# KiCad board .C68.kicad_pcb (continued)
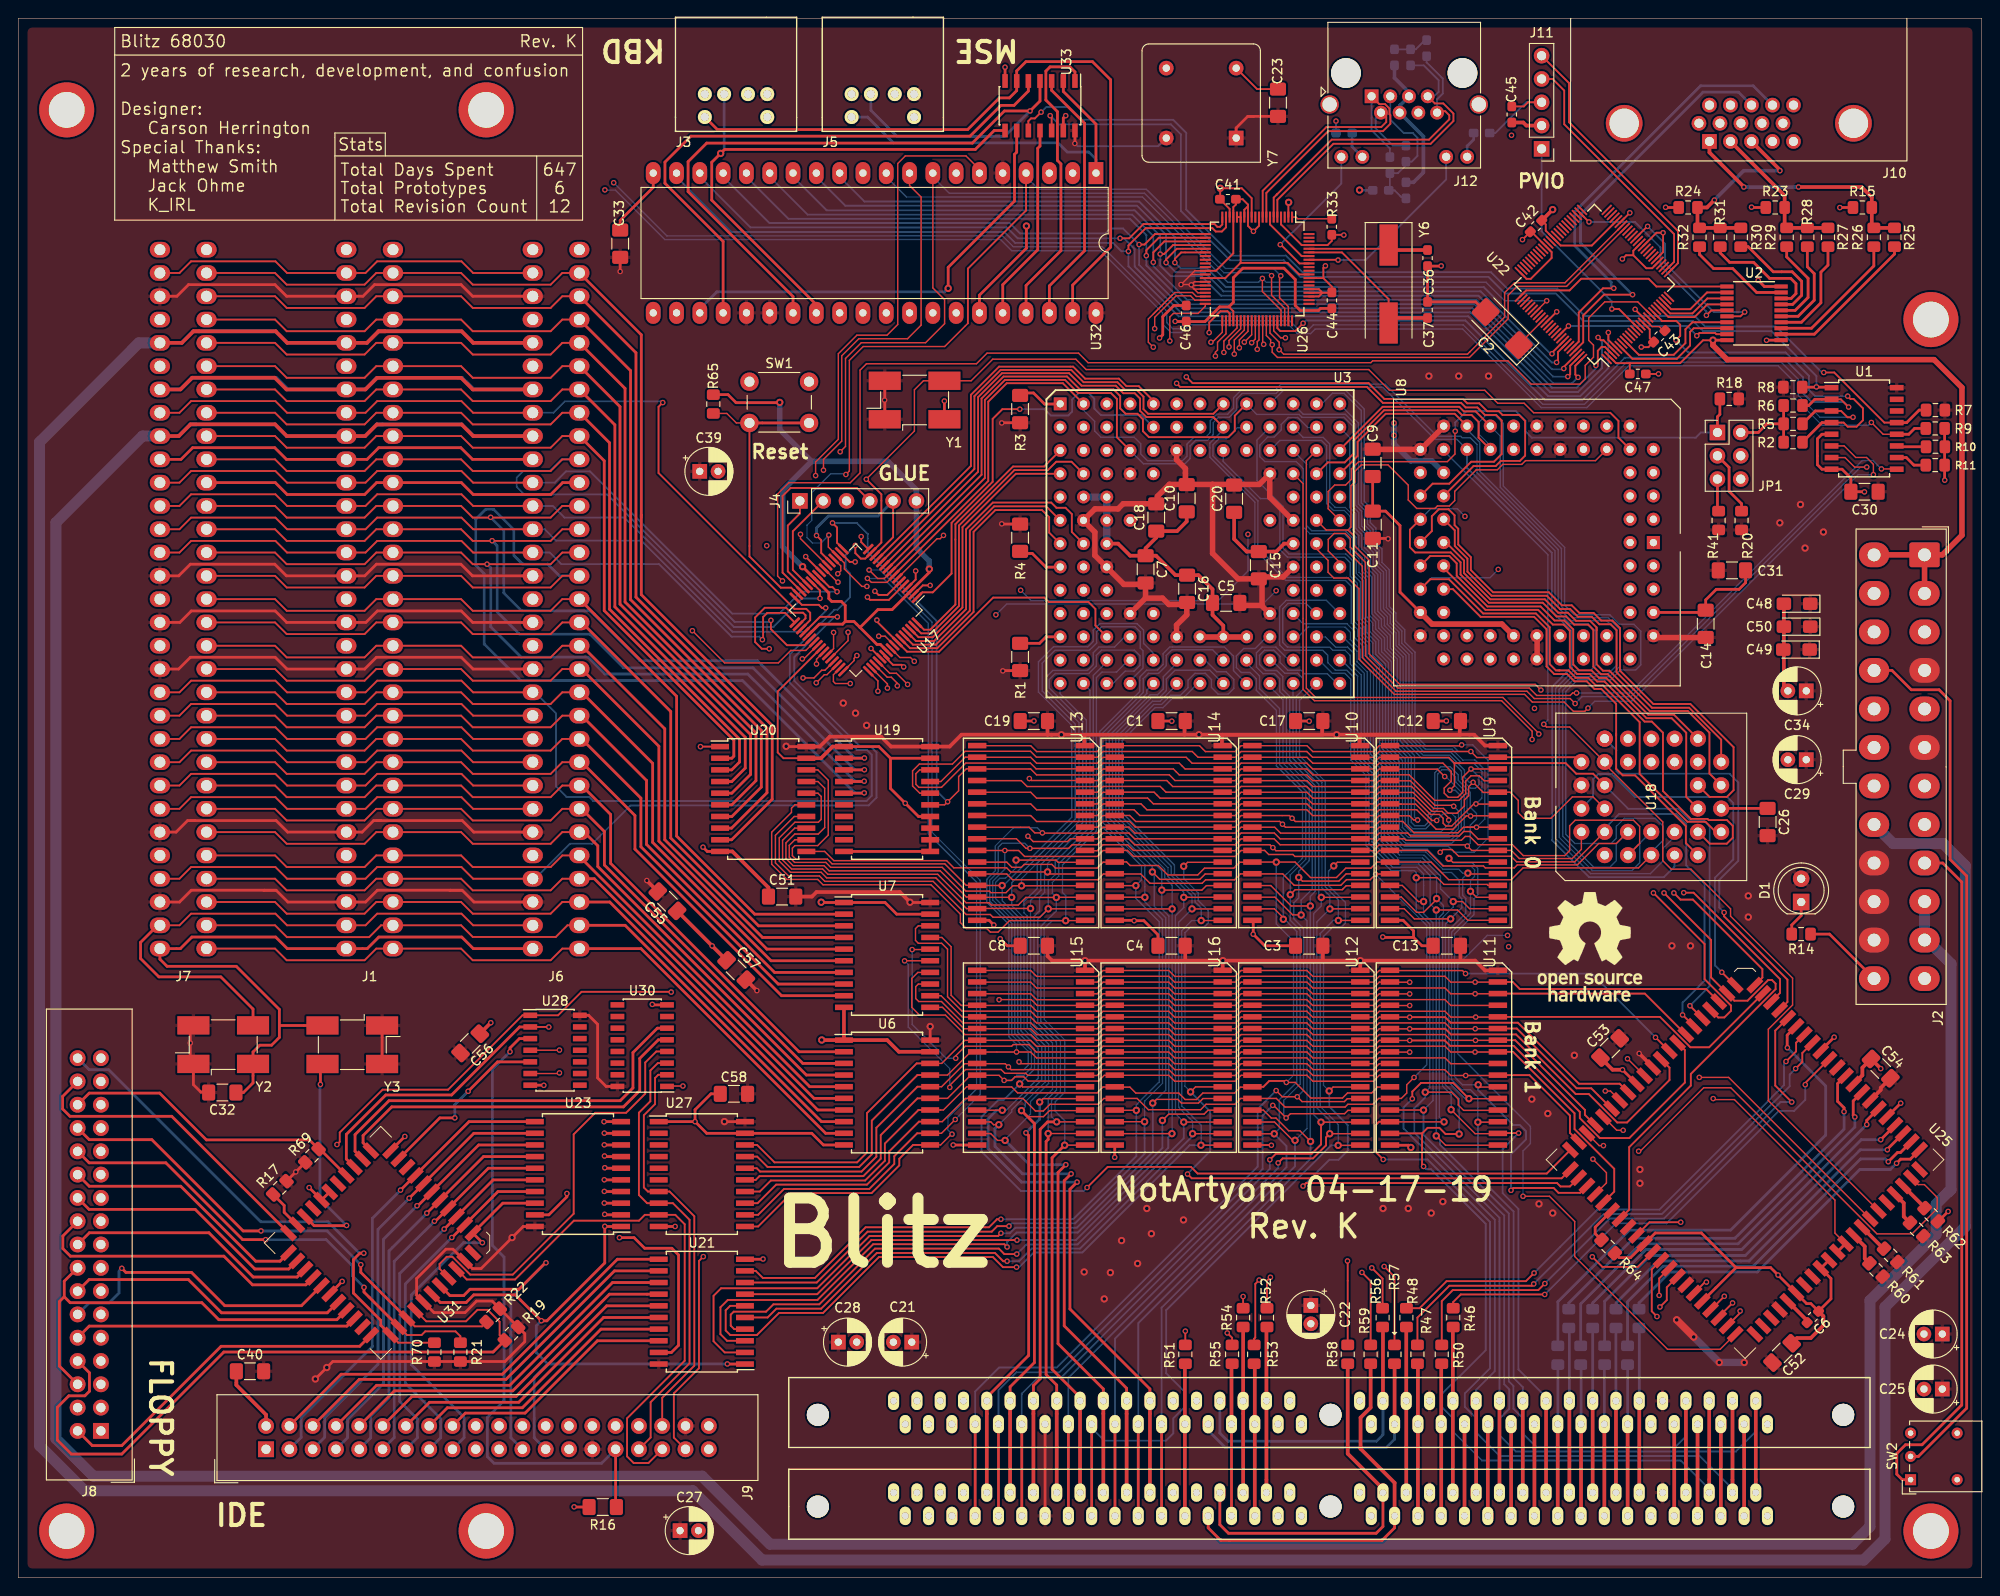
[diagram p0: board, top side]
## Routing (per net, layer and track width the routed paths; a pad name or vN(x,y) marks a point on that pad's centre or on a via; arc(x,y) is an arc through that point) (continued)
CLK: length 368.1
  Top w0.15: 92.34,119.84 v1(92.43,119.75) ; 92.5,119.84 97.67,125.01 97.67,129.5 98.66,130.49 Y1.3 103.86,130.49 106.21,132.84 115.26,132.84 116.39,131.71 147.19,131.71 149.45,129.45 159.84,129.45 161.25,128.04 164.13,128.04 165.17,127 173.52,127 ; U25.65 198.01,37.56 198.01,41.16 187.05,52.12 184.85,52.12 v1(184.74,52.23)
  Top w0.2: 15.47,96.52 17.56,96.52 18.83,97.79 28.02,97.79 29.29,96.52 35.79,96.52 ; 173.52,127 174.41,126.11 174.41,124.28 U8.11 ; v1(91.23,112.54) 91.23,111.7 91.83,111.1 92.31,111.1 U17.15 94.07,112.86 94.07,118.11 v1(92.43,119.75) ; J1.B20 37.84,96.52 39.11,97.79 48.3,97.79 49.57,96.52 J6.B20
  Top w0.3: U25.65 U25.64
  In1.Cu w0.15: v1(165.26,94.77) 164.25,93.76 164.25,87.27 166.79,84.73 166.79,67.01 173.9,59.9 179.94,59.9 184.39,55.45 184.39,52.58 v1(184.74,52.23)
  In1.Cu w0.2: U3.E1 112.86,118.51 107.86,118.51 106.62,119.75 v1(92.43,119.75)
  In2.Cu w0.15: U8.11 175.68,122.26 164.22,110.8 164.22,95.81 v1(165.26,94.77)
  Bottom w0.2: v1(91.23,112.54) 90.17,111.48 90.17,109.99 90.64,109.52 90.64,106.89 89.28,105.53 88.95,105.53 84.09,100.67 84.09,97.56 91.42,90.23 92.51,90.23 93.02,89.72 93.02,85.25 92.44,84.67 62.66,84.67 62.22,85.11 59.76,85.11 58.6,86.27 58.6,94.24 56.32,96.52 J6.B20
DRAM_CS: length 162.8
  Top w0.15: v1(164.01,41.58) 166.89,41.58 169.64,38.83 169.64,35.02 179.76,24.9 185.5,24.9 U25.53 ; v1(87,99.61) 87,100.13 U17.42
  In2.Cu w0.15: v1(87,99.61) 89.9,96.71 91.7,96.71 93.06,95.35 93.89,95.35 106.27,82.97 106.27,78.5 107.83,76.94 109.61,76.94 111.42,78.75 124.54,78.75 126.92,76.37 137.46,76.37 138.55,77.46 141.78,77.46 143.97,75.27 149.57,75.27 154.52,70.32 162.02,70.32 v1(162.32,70.02)
  Bottom w0.15: v1(162.32,70.02) 160.11,70.02 156.89,66.8 156.89,57.11 164.82,49.18 164.82,47.34 164.01,46.53 v1(164.01,41.58)
DRAM_DTACK: length 193.4
  Top w0.15: U25.73 207.09,42.85 207.76,42.85 209.15,41.46 209.15,40.22 206.41,37.48 202.59,37.48 186.66,53.41 183.7,53.41 176.78,46.49 v1(176.61,46.49)
  Top w0.2: U17.34 85.8,104.59 85.8,104.93 85.53,105.2 84.23,105.2 83.69,105.74 81.36,105.74 80.31,104.69 80.31,102 81.04,101.27 v1(81.85,101.27)
  In1.Cu w0.15: v1(176.61,46.49) 174.73,46.49 172.91,44.67 171.44,44.67 170.91,45.2 170.91,45.97 171.19,46.25 171.19,57.91 163.49,65.61 163.49,67.74 v1(162.44,68.79)
  In2.Cu w0.15: v1(81.85,101.27) 82.91,101.27 85.33,98.85 87.15,98.85 89.74,96.26 91.52,96.26 92.87,94.91 93.74,94.91 105.78,82.87 105.78,78.37 107.61,76.54 109.84,76.54 111.63,78.33 124.31,78.33 126.64,76 137.68,76 138.75,77.07 141.57,77.07 143.78,74.86 149.42,74.86 155.19,69.09 162.14,69.09 v1(162.44,68.79)
DS: length 92.9
  Top w0.2: U17.4 97.81,108.82 v1(97.81,109.75)
  In2.Cu w0.15: v1(97.81,109.75) 97.81,108.27 98.67,107.41 99.75,107.41 100.32,107.98 100.32,108.55 102.53,110.76 110.62,110.76 112.37,109.01 112.37,107.23 113.14,106.46 114.75,106.46 U3.K2 117.39,106.4 120.07,106.4 128.24,114.57 128.24,115.54 130.13,117.43 136.2,117.43 138.01,119.24 148.79,119.24 151.21,116.82 156,116.82 156.68,117.5 156.68,121.05 155.97,121.76 155.03,121.76 154.24,122.55 154.24,123.41 154.95,124.12 161.55,124.12 U8.20
DSACK0: length 110.9
  Top w0.2: U3.F1 112.03,116.8 106.36,116.8 103.71,114.15 103.71,105.42 100.01,101.72 97.52,101.72 U17.60 ; v1(126.25,130.21) 126.64,129.82 146.99,129.82 148.73,128.08 157.26,128.08 157.76,127.58 159.03,127.58 159.85,126.76 161.08,126.76 161.68,126.16 161.68,122.5 160.84,121.66 158.36,121.66 155.97,119.27 154.16,119.27 U8.31
  In2.Cu w0.2: v1(126.25,130.21) 113.14,130.21 111.08,128.15 111.08,117.75 U3.F1
DSACK1: length 124.2
  Top w0.2: U8.32 158.62,121.19 161.03,121.19 161.59,121.75 163.66,121.75 164.24,122.33 164.24,126.11 163.59,126.76 161.78,126.76 161.37,127.17 160.1,127.17 159.24,128.03 157.93,128.03 157.45,128.51 148.89,128.51 147.17,130.23 127.99,130.23 v1(127.31,130.91) ; U17.61 97.83,102.11 99.82,102.11 103.3,105.59 103.3,114.29 106.22,117.21 112.58,117.21 113.15,116.64 114.14,116.64 114.83,115.95 114.83,114 U3.G2
  In2.Cu w0.2: 127.32,130.9 127.11,131.11 125.7,131.11 125.24,130.65 112.95,130.65 110.61,128.31 110.61,116.48 113.07,114.02 114.81,114.02 U3.G2
ECS: length 38.2
  Top w0.2: v1(91.21,110.74) 90.62,110.74 U17.18
  In2.Cu w0.2: U3.M2 115.44,100.03 114.23,98.82 113,98.82 112.33,99.49 112.33,101.25 107.72,105.86 96.56,105.86 94.36,103.66 93.28,103.66 91.62,105.32 91.62,110.33 v1(91.21,110.74)
ETHRNT: length 88.8
  Top w0.15: v1(138.11,135.17) 137.6,135.17 136.83,135.94 U26.55 ; U17.43 88.86,101.28 v1(88.86,103.05)
  In2.Cu w0.15: v1(88.86,103.05) 89.23,103.42 89.74,103.42 90.75,104.43 90.75,109.46 89.99,110.22 89.99,113.65 91.09,114.75 92.67,114.75 95.07,112.35 106.87,112.35 110.13,115.61 110.13,128.49 112.74,131.1 119.78,131.1 122.39,133.71 122.39,136.8 124.4,138.81 134.47,138.81 v1(138.11,135.17)
FC0: length 32.3
  Top w0.2: U17.63 98.41,102.95 99.54,102.95 102.53,105.94 102.53,114.71 108.57,120.75 112.22,120.75 113.13,121.66 114.79,121.66 U3.D2
FC1: length 29.2
  Top w0.2: U17.64 98.72,103.35 99.4,103.35 102.14,106.09 102.14,114.86 108.42,121.14 111.81,121.14 U3.C1
FC2: length 29.2
  Top w0.2: U3.D1 108.73,120.35 102.91,114.53 102.91,105.77 99.67,102.53 98.12,102.53 U17.62
FLOPPY: length 70.4
  Top w0.15: U30.1 70.75,53.6 v1(72.44,53.6) ; v1(89.32,109.45) 89.64,109.77 89.64,110.3 U17.20
  In2.Cu w0.15: v1(72.44,53.6) 72.44,60.8 73.9,62.26 73.9,89.09 75.16,90.35 75.16,101.61 83,109.45 v1(89.32,109.45)
FPU: length 83.6
  Top w0.15: v1(93.78,102.64) 94.48,102.64 U17.57
  In2.Cu w0.15: v1(93.78,102.64) 93.71,102.64 91.2,105.15 91.2,109.62 90.45,110.37 90.45,113.38 91.36,114.29 92.41,114.29 94.78,111.92 111.01,111.92 111.29,111.64 115.39,111.64 115.59,111.44 124.13,111.44 127.54,114.85 127.54,115.81 129.89,118.16 132.17,118.16 135.79,121.78 151.51,121.78 U8.29
GEN: length 19.4
  Top w0.2: U2.19 185.08,135.56 184.95,135.7 183.25,135.7 v1(182.95,135.4) ; U22.91 167.9,135.4 v1(168.96,136.46)
  Bottom w0.2: v1(182.95,135.4) 181.89,136.46 v1(168.96,136.46)
HALT: length 27.3
  Top w0.2: v1(91.87,113.5) 91.87,112.9 U17.16
  In2.Cu w0.2: U3.H2 115.01,111.28 111.11,111.28 110.86,111.53 93.84,111.53 v1(91.87,113.5)
I_DIR: length 31.1
  Top w0.2: U20.1 74.35,90.61 v1(74.35,90.6) ; U17.24 85.82,111.3 v1(85.82,111.32)
  In2.Cu w0.2: v1(74.35,90.6) 74.35,101.76 83.91,111.32 v1(85.82,111.32)
ICSP_RES: length 24.3
  Top w0.2: v1(173.69,138.31) 174.47,138.31 U22.13
  Bottom w0.2: J11.1 166.04,146.79 173.69,139.13 v1(173.69,138.31)
IDE: length 164
  Top w0.15: U17.7 100.13,113.27 100.47,113.27 v1(100.84,113.63)
  Top w0.2: v1(74.66,35) 74.19,34.53 74.19,22.83 71.45,20.09 71.45,15.27 J9.37
  In2.Cu w0.15: v1(74.66,35) 74.36,35.3 63.54,35.3 58.8,40.04 58.8,49.22 70.36,60.78 70.36,64.34 72.11,66.09 72.11,101.79 71.55,102.35 71.55,103.87 72.64,104.96 75.21,104.96 83.68,113.43 83.68,118.31 89.1,123.73 90.57,123.73 94.1,120.2 94.1,116.55 97.02,113.63 v1(100.84,113.63)
IO_CS: length 116
  Top w0.15: U17.39 85.84,101.09 84.2,101.09 82.84,99.73 76.98,99.73 v1(73.47,103.24)
  Top w0.3: v1(65.52,37.07) 67.11,37.07 68.27,35.91 71.23,35.91 71.96,35.18 71.96,25.33 71.19,24.56 U21.19 ; 59.79,41.9 59.79,41.52 57.82,39.56 U23.19
  In2.Cu w0.15: v1(65.52,37.07) 65.52,37.83 64.38,38.97 61.26,38.97 59.79,40.44 v1(59.79,41.88) 59.79,48.8 73.47,62.48 v1(73.47,103.24)
IPL0: length 90.7
  Top w0.15: 204.69,120.9 U1.9 204.71,120.88 v1(203.07,120.88) ; v1(169.84,96.45) 169.42,96.45 169.15,96.18 165.5,96.18 164.69,96.99 150.36,96.99 146.84,100.51 146.84,110.68 145.18,112.34 145.18,113.29 144.63,113.84 143.43,113.84 142.78,113.19 142.78,111.93 144.04,110.67 U3.H13
  Bottom w0.15: v1(203.07,120.88) 202.15,121.8 201,121.8 175.65,96.45 v1(169.84,96.45)
IPL1: length 85.5
  Top w0.15: 197.7,122.05 U1.7 199.11,122.11 200.15,121.08 v1(201.48,121.08) ; U3.G13 146.5,110.27 146.5,100.31 150.17,96.64 164.44,96.64 165.24,95.84 169.15,95.84 v1(169.69,95.3)
  Bottom w0.15: v1(169.69,95.3) 170.44,96.05 175.77,96.05 200.8,121.08 v1(201.48,121.08)
IPL2: length 91
  Top w0.15: v1(202.2,120.25) 202.2,121.38 201.45,122.12 200.27,122.12 199.01,123.39 U1.6 ; U3.G12 141.5,112.16 142.76,110.9 142.76,109.61 143.39,108.98 144.95,108.98 146.13,107.8 146.13,100.15 149.98,96.3 164.18,96.3 165.02,95.46 168.49,95.46 169.5,94.45 170.74,94.45 v1(171.09,94.8)
  Bottom w0.15: v1(171.09,94.8) 171.84,95.55 175.85,95.55 200.55,120.25 v1(202.2,120.25)
IRQ_ETH: length 78.1
  Top w0.2: U26.56 137.23,136.23 137.55,135.91 139.19,135.91 v1(140.04,136.76) ; U1.2 198.65,128.47 v1(199.5,127.62)
  Top w0.3: U1.2 195.81,128.47 195.14,127.79 R6.2
  Bottom w0.2: v1(140.04,136.76) 140.34,137.06 157.73,137.06 166.43,128.36 170.46,128.36 175.09,132.99 192.41,132.99 194.54,130.86 194.54,129.12 195.49,128.17 198.95,128.17 v1(199.5,127.62)
IRQ_FLOPPY: length 273.3
  Top w0.15: v1(58.98,55.03) 58.91,54.96 U28.6
  Top w0.2: U1.3 198.69,127.19 199.37,126.51 v1(199.98,126.51)
  Top w0.3: U1.3 195.87,127.19 R5.2
  In2.Cu w0.15: v1(58.98,55.03) 58.98,56.38 49.33,66.03 49.33,142.9 58.51,152.08 v1(64.89,152.08)
  Bottom w0.15: v1(199.98,126.51) 196.38,126.51 194.02,128.87 194.02,130.64 192.14,132.52 175.3,132.52 170.7,127.92 166.16,127.92 157.5,136.58 141.15,136.58 140.61,136.04 139.56,136.04 138.58,137.02 127.43,137.02 126.56,136.15 125.85,136.15 125.18,136.82 125.18,138.08 118.16,145.1 108.45,145.1 107.27,146.28 70.69,146.28 v1(64.89,152.08)
IRQ_IDE: length 273.1
  Top w0.15: U28.4 58.96,57.5 v1(58.98,57.52) ; v1(201.98,125.94) 203.26,124.66 U1.12
  Top w0.3: U1.12 206.06,124.66 206.69,125.29 R9.2
  In2.Cu w0.15: v1(63.93,151.3) 58.6,151.3 49.85,142.55 49.85,66.65 50.87,65.63 ; v1(58.98,57.52) 50.87,65.63 ; 50.87,65.63 51.74,64.76
  Bottom w0.15: 63.93,151.27 65.08,151.27 70.47,145.88 107.07,145.88 108.28,144.67 117.94,144.67 124.72,137.89 124.72,136.66 125.63,135.75 126.78,135.75 127.62,136.59 138.45,136.59 139.41,135.63 140.86,135.63 141.36,136.13 157.42,136.13 165.99,127.56 170.97,127.56 175.53,132.12 191.82,132.12 193.53,130.41 193.53,128.7 196.59,125.64 201.68,125.64 v1(201.98,125.94)
IRQ_KBD: length 106.3
  Top w0.2: U33.12 112.63,159.23 v1(112.47,159.39)
  Top w0.3: R8.2 197.58,129.79 U1.1
  Bottom w0.2: v1(195.99,129.82) 195.99,131 191.09,135.9 183.64,135.9 182.55,136.99 170.58,136.99 167.56,140.01 162.05,140.01 160.25,141.81 139.73,141.81 137.91,143.63 132.08,143.63 126.72,148.99 126.72,157.34 125.62,158.44 113.42,158.44 v1(112.47,159.39)
IRQ_MSE: length 119.2
  Top w0.2: v1(111.48,159.77) 110.8,159.09 110.38,159.09 110.09,158.8 U33.10 ; 204.74,125.92 203.39,125.92 197.93,131.39 v1(196.79,131.39)
  Top w0.3: R7.2 207.19,127.29 205.82,125.92 204.74,125.92
  Bottom w0.2: v1(111.48,159.77) 112.03,160.32 114.54,160.32 115.92,158.94 125.87,158.94 127.3,157.51 127.3,149.15 132.32,144.13 138.18,144.13 139.99,142.32 160.52,142.32 162.3,140.54 167.75,140.54 170.74,137.55 182.72,137.55 183.87,136.4 191.57,136.4 196.58,131.39 v1(196.79,131.39)
IRQ_SYS: length 39
  Top w0.2: U22.19 179.16,137.01 180.72,137.01 181.14,136.59 181.14,135.38 v1(180.68,134.92) ; v1(199.4,128.81) 199.7,128.51 200.04,128.51 201.06,127.49 201.06,126.18 200.36,125.48 199.4,125.48 198.95,125.92 197.64,125.92
  Top w0.3: R2.2 196.6,125.92 197.64,125.92
  Bottom w0.2: v1(199.4,128.81) 195.85,128.81 195.17,129.49 195.17,131.03 192.63,133.57 182.03,133.57 v1(180.68,134.92)
ISA_IRQ0: length 42.7
  Top w0.2: J1.B25 37.84,83.82 39.11,85.09 48.3,85.09 49.57,83.82 J6.B25 ; 35.79,83.82 29.29,83.82 28.02,85.09 18.83,85.09 17.56,83.82 15.47,83.82
ISA_IRQ1: length 42.7
  Top w0.2: J1.B24 37.84,86.36 39.11,87.63 48.3,87.63 49.57,86.36 J6.B24 ; 15.47,86.36 17.56,86.36 18.83,87.63 28.02,87.63 29.29,86.36 35.79,86.36
ISA_IRQ2: length 42.7
  Top w0.2: J1.B23 37.84,88.9 39.11,90.17 48.3,90.17 49.57,88.9 J6.B23 ; 35.79,88.9 29.29,88.9 28.02,90.17 18.83,90.17 17.56,88.9 15.47,88.9
ISA_IRQ3: length 42.7
  Top w0.2: J1.B22 37.84,91.44 39.11,92.71 48.3,92.71 49.57,91.44 J6.B22 ; 15.47,91.44 17.56,91.44 18.83,92.71 28.02,92.71 29.29,91.44 35.79,91.44
ISA_IRQ4: length 42.7
  Top w0.2: J1.B21 37.84,93.98 39.11,95.25 48.3,95.25 49.57,93.98 J6.B21 ; 35.79,93.98 29.29,93.98 28.02,95.25 18.83,95.25 17.56,93.98 15.47,93.98
KBD_CS: length 61.6
  Top w0.15: U17.22 85.25,113.28 v1(85.25,113.75) ; U32.6 104.76,153.53 103.29,155 96.68,155 95.85,154.17 95.85,136.62 94.69,135.46 91.4,135.46 89.38,133.44 89.38,124.11 86.9,121.63 v1(86.9,120.15)
  In2.Cu w0.15: v1(85.25,113.75) 86.47,114.97 86.47,119.72 v1(86.9,120.15)
MMUDIS: length 58.3
  Top w0.15: U3.F13 142.77,116.54 142.77,118.41 143.48,119.12 144.67,119.12 145.3,119.75 145.3,120.87 146.1,121.67 155.76,121.67 156.59,122.5 156.59,124.96 v1(156.62,124.99)
  Top w0.3: JP1.1 185.2,126.56 185.46,126.83 185.46,128.51
  Bottom w0.2: JP1.1 183.4,124.85 182.83,124.28 164.96,124.28 164.27,124.97 164.27,126.14 163.21,127.2 157.88,127.2 156.62,125.94 v1(156.62,124.99)
RESET: length 467.7
  Top w0.15: v1(92.49,108.07) 91.94,108.07 90.04,109.97 90.04,110.61 U17.19 88.29,112.36 88.29,113.61 v1(88.34,113.66) ; U3.F12 142.56,114.22 144.93,114.22 ; U26.59 138.43,138.58 137.47,139.54 137.47,141.8 v1(137.6,141.93) ; v1(90.2,120.27) 90.58,120.65 90.58,132.71 92.09,134.22 100.97,134.22 103.5,136.75 ; 144.93,114.22 145.25,114.54 145.25,119.03 145.69,119.47 145.69,120.62 146.39,121.32 149.29,121.32 151.5,119.11 151.5,117.49 152.42,116.57 154.41,116.57 154.68,116.84 155.98,116.84 156.56,117.42 156.56,118.43 158.91,120.78 161.21,120.78 161.8,121.37 163.87,121.37 164.28,121.78 171.91,121.78 U8.13 ; 144.93,114.22 145.64,113.5 145.64,112.52 147.23,110.93 147.23,100.73 150.57,97.39 165.34,97.39 v1(165.96,96.77) ; v1(183.22,54.54) 186.42,54.54 U25.68
  Top w0.2: 103.5,136.75 103.5,142.71 109.84,149.05 U32.4 ; v1(34.73,47.22) 35.03,47.52 35.03,48.53 39.7,53.2 46.84,53.2 54.95,61.31 U28.1 58.83,61.31 61.39,63.87 71.13,63.87 v1(71.16,63.84)
  In1.Cu w0.15: v1(92.49,108.07) 92.94,108.07 93.73,108.86 97.12,108.86 99.38,106.6 108.2,106.6 v1(109.25,107.65) ; v1(183.22,54.54) 180.92,54.54 177.41,58.05 174.57,58.05 165.95,66.67 165.95,84.79 163.69,87.05 163.69,94.5 v1(165.96,96.77) ; U3.F12 139.98,113.75 v1(134.03,113.75)
  In1.Cu w0.2: J9.1 25.94,14 25.28,14.66 25.28,17.52 38.78,31.02 38.78,38.98 34.73,43.03 v1(34.73,47.22)
  In2.Cu w0.15: v1(71.16,63.84) 72.58,65.26 72.58,102.08 72.05,102.61 72.05,103.67 72.91,104.53 75.38,104.53 83.61,112.76 87.44,112.76 v1(88.34,113.66) ; U8.13 173.14,122.47
  Bottom w0.15: v1(109.25,107.65) 110.38,106.53 130.8,106.53 134.03,109.75 v1(134.03,113.75) ; U32.4 109.84,152.73 111.2,151.37 122.95,151.37 131.59,142.73 136.8,142.73 v1(137.6,141.93) ; v1(88.34,113.66) 87.48,112.8 86.55,112.8 85.97,113.38 85.97,114.74 86.48,115.25 86.48,118.29 88.54,120.35 90.12,120.35 v1(90.2,120.27)
RESET_N: length 162.1
  Top w0.2: J1.B2 37.84,142.24 39.11,143.51 48.3,143.51 49.57,142.24 J6.B2 ; 15.47,142.24 17.56,142.24 18.83,143.51 28.02,143.51 29.29,142.24 35.79,142.24 ; U28.2 57.81,60.04 v1(57.82,60.03)
  Top w0.3: U28.2 54.64,60.04 47.22,52.62 40.05,52.62 35.75,48.32 35.75,45.64 U31.20
  In2.Cu w0.2: J6.B2 54.64,142.24 50.34,137.94 50.34,67.51 v1(57.82,60.03)
ROM: length 113.3
  Top w0.15: v1(90.44,103.07) 90.44,102.16 U17.44
  In2.Cu w0.15: v1(90.44,103.07) 91.9,103.07 92.91,102.06 93.51,102.06 94.97,100.6 97.99,100.6 98.4,100.19 98.4,95.09 102.64,90.85 155.09,90.85 158.29,94.05 169.38,94.05 170.74,95.41 181.59,95.41 184.85,92.15 184.85,90.71 U18.22
RW0: length 84.4
  Top w0.15: 131.09,86.89 132.65,86.89 133.28,87.53 140.44,87.53 141.07,86.89 146.09,86.89 ; 160.99,86.88 159.78,86.88 159.24,87.42 158.34,87.42 157.76,86.84 157.76,85.47 157.03,84.74 154.38,84.74 151.59,87.53 148.34,87.53 147.71,86.89 146.15,86.89 ; U14.29 126.07,86.91 125.45,87.53 118.23,87.53 117.59,86.89 116.04,86.89 ; U17.48 91.1,99.99 91.1,100.23 v1(91.4,100.53) ; v1(110.2,87.12) 110.41,86.91 116.27,86.91
  In2.Cu w0.15: v1(91.4,100.53) 93.89,98.04 97.23,98.04 97.62,97.65 97.62,97.02 97.29,96.69 97.29,95.18 105.24,87.23 110.09,87.23 v1(110.2,87.12)
RW1: length 102.1
  Top w0.15: v1(106.9,63.01) 106.91,63.02 110.41,63.02 111.04,62.38 116.27,62.38 ; 146.15,62.38 147.71,62.38 148.34,63.02 155.5,63.02 156.13,62.38 161.15,62.38 ; 131.04,62.38 126.03,62.38 125.39,63.02 118.23,63.02 117.59,62.38 116.04,62.38 ; v1(86.97,97.56) 87.85,98.44 88.14,98.44 U17.46 ; 131.09,62.38 132.65,62.38 133.28,63.02 140.44,63.02 141.07,62.38 146.09,62.38
  In2.Cu w0.2: v1(106.9,63.01) 106.9,68.39 95.22,80.07 95.22,88.59 86.97,96.84 v1(86.97,97.56)
RW_N: length 489.1
  Top w0.15: v1(166.27,93.04) 166.57,92.74 169.1,92.74 U18.31 172.91,88.72 179.24,82.39 179.24,78.17 180.17,77.24 182.31,77.24 186.63,72.92 186.63,72.12 193.39,65.36 193.39,62.43 190.75,59.79 190.75,52.01 U25.69 ; U22.82 165.35,137.97 v1(166.59,139.21) ; v1(135.6,141.65) 135.6,140.22 137.63,138.19 U26.57
  Top w0.2: v1(93.58,104.4) 93.58,104.24 U17.58 96.87,100.95 100.35,100.95 106.25,106.85 111.82,106.85 112.3,106.37 116.64,106.37 117.4,105.61 117.4,103.81 U3.L3
  Top w0.3: U31.2 47.05,30.75 48.54,30.75 49.23,31.44 54.56,31.44 57.45,34.33 v1(57.51,34.33)
  In1.Cu w0.15: v1(93.58,104.4) 94.75,103.23 94.75,100.99 92.86,99.1 91.16,99.1 86.58,103.68 86.58,107.5 v1(81.57,112.51)
  In2.Cu w0.15: 157.08,121.29 U8.28 ; 157.08,121.29 157.08,117.33 156.23,116.48 151.06,116.48 148.64,118.9 138.2,118.9 136.39,117.09 130.34,117.09 128.61,115.36 128.61,114.43 119.92,105.74 119.92,103.85 U3.L3 ; 157.08,121.29 163.02,121.29 164.02,122.29 164.02,124.01 164.41,124.4 164.41,126.04 164.81,126.44 164.81,127.54 164.18,128.17 164.18,134.66 166.59,137.07 v1(166.59,139.21) ; v1(57.51,34.33) 57.51,38.93 58.36,39.78 58.36,49.44 69.91,60.99 69.91,64.55 71.7,66.34 71.7,101.57 71.15,102.12 71.15,104.07 72.46,105.38 75.07,105.38 81.57,111.88 v1(81.57,112.51)
  In2.Cu w0.2: v1(93.58,104.4) 94.54,104.4 96.38,106.24 107.92,106.24 112.83,101.33 116.84,101.33 118.08,102.57 U3.L3
  Bottom w0.15: U8.28 155.36,122.88 166.72,111.52 166.72,93.49 v1(166.27,93.04) ; v1(166.59,139.21) 162,139.21 159.98,141.23 136.02,141.23 v1(135.6,141.65) 135.3,141.35 135.3,141.34 135.19,141.23 131.82,141.23 122.53,150.52 96.81,150.52 94.6,152.73 U32.10
  Bottom w0.3: J9.23 53.69,15.25 53.69,26.44 ; 53.69,26.44 53.69,30.51 v1(57.51,34.33) ; 53.69,26.44 53.69,23.24
SIZ0: length 30.1
  Top w0.2: v1(92.55,106.9) 92.85,106.6 94.88,106.6 U17.5
  In2.Cu w0.2: U3.L2 115,103.67 111.1,103.67 108.14,106.63 93.24,106.63 92.97,106.9 v1(92.55,106.9)
SIZ1: length 30.8
  Top w0.2: U17.6 94.72,107.14 93.76,107.14 v1(93.36,107.54)
  In2.Cu w0.2: U3.K3 117.56,104.03 111.23,104.03 108.23,107.03 93.87,107.03 v1(93.36,107.54)
STERM: length 31.7
  Top w0.2: U17.59 97.2,101.33 100.16,101.33 104.12,105.29 104.12,114.02 106.49,116.39 111.58,116.39 112.36,115.61 112.36,113.93 U3.G1
VGA_CS: length 139.4
  Top w0.15: v1(83.29,108.67) 82.76,109.2 82.76,118.14 83.99,119.37 90.68,119.37 91.75,120.44 91.75,131.65 92.44,132.34 104.43,132.34 105.59,133.5 115.56,133.5 116.6,132.46 147.42,132.46 147.62,132.66 162.36,132.66 164.9,130.12 170.22,130.12 170.79,130.69 170.79,132.16 171.69,133.06 171.69,134.37 171.17,134.89 171.17,137.34 172.92,139.09 176.52,139.09 U22.18 ; U17.40 85.62,100.17 v1(85.45,100.17)